# Altium PCB BRZ_BATT_MANAGER.PcbDoc (part 2 of 2)
Units mm, origin at the board's own origin, x right, y up, seen from the top; angles counter-clockwise.
Board outline 90 x 76 mm, 4 copper layers (Top Layer 1, Top Layer, Bottom Layer, Bottom Layer 1), stack 0.603 mm thick; 296 components, 218 nets, 937 pads, 36 vias.
Unrouted connection lines stored in the file: 468.
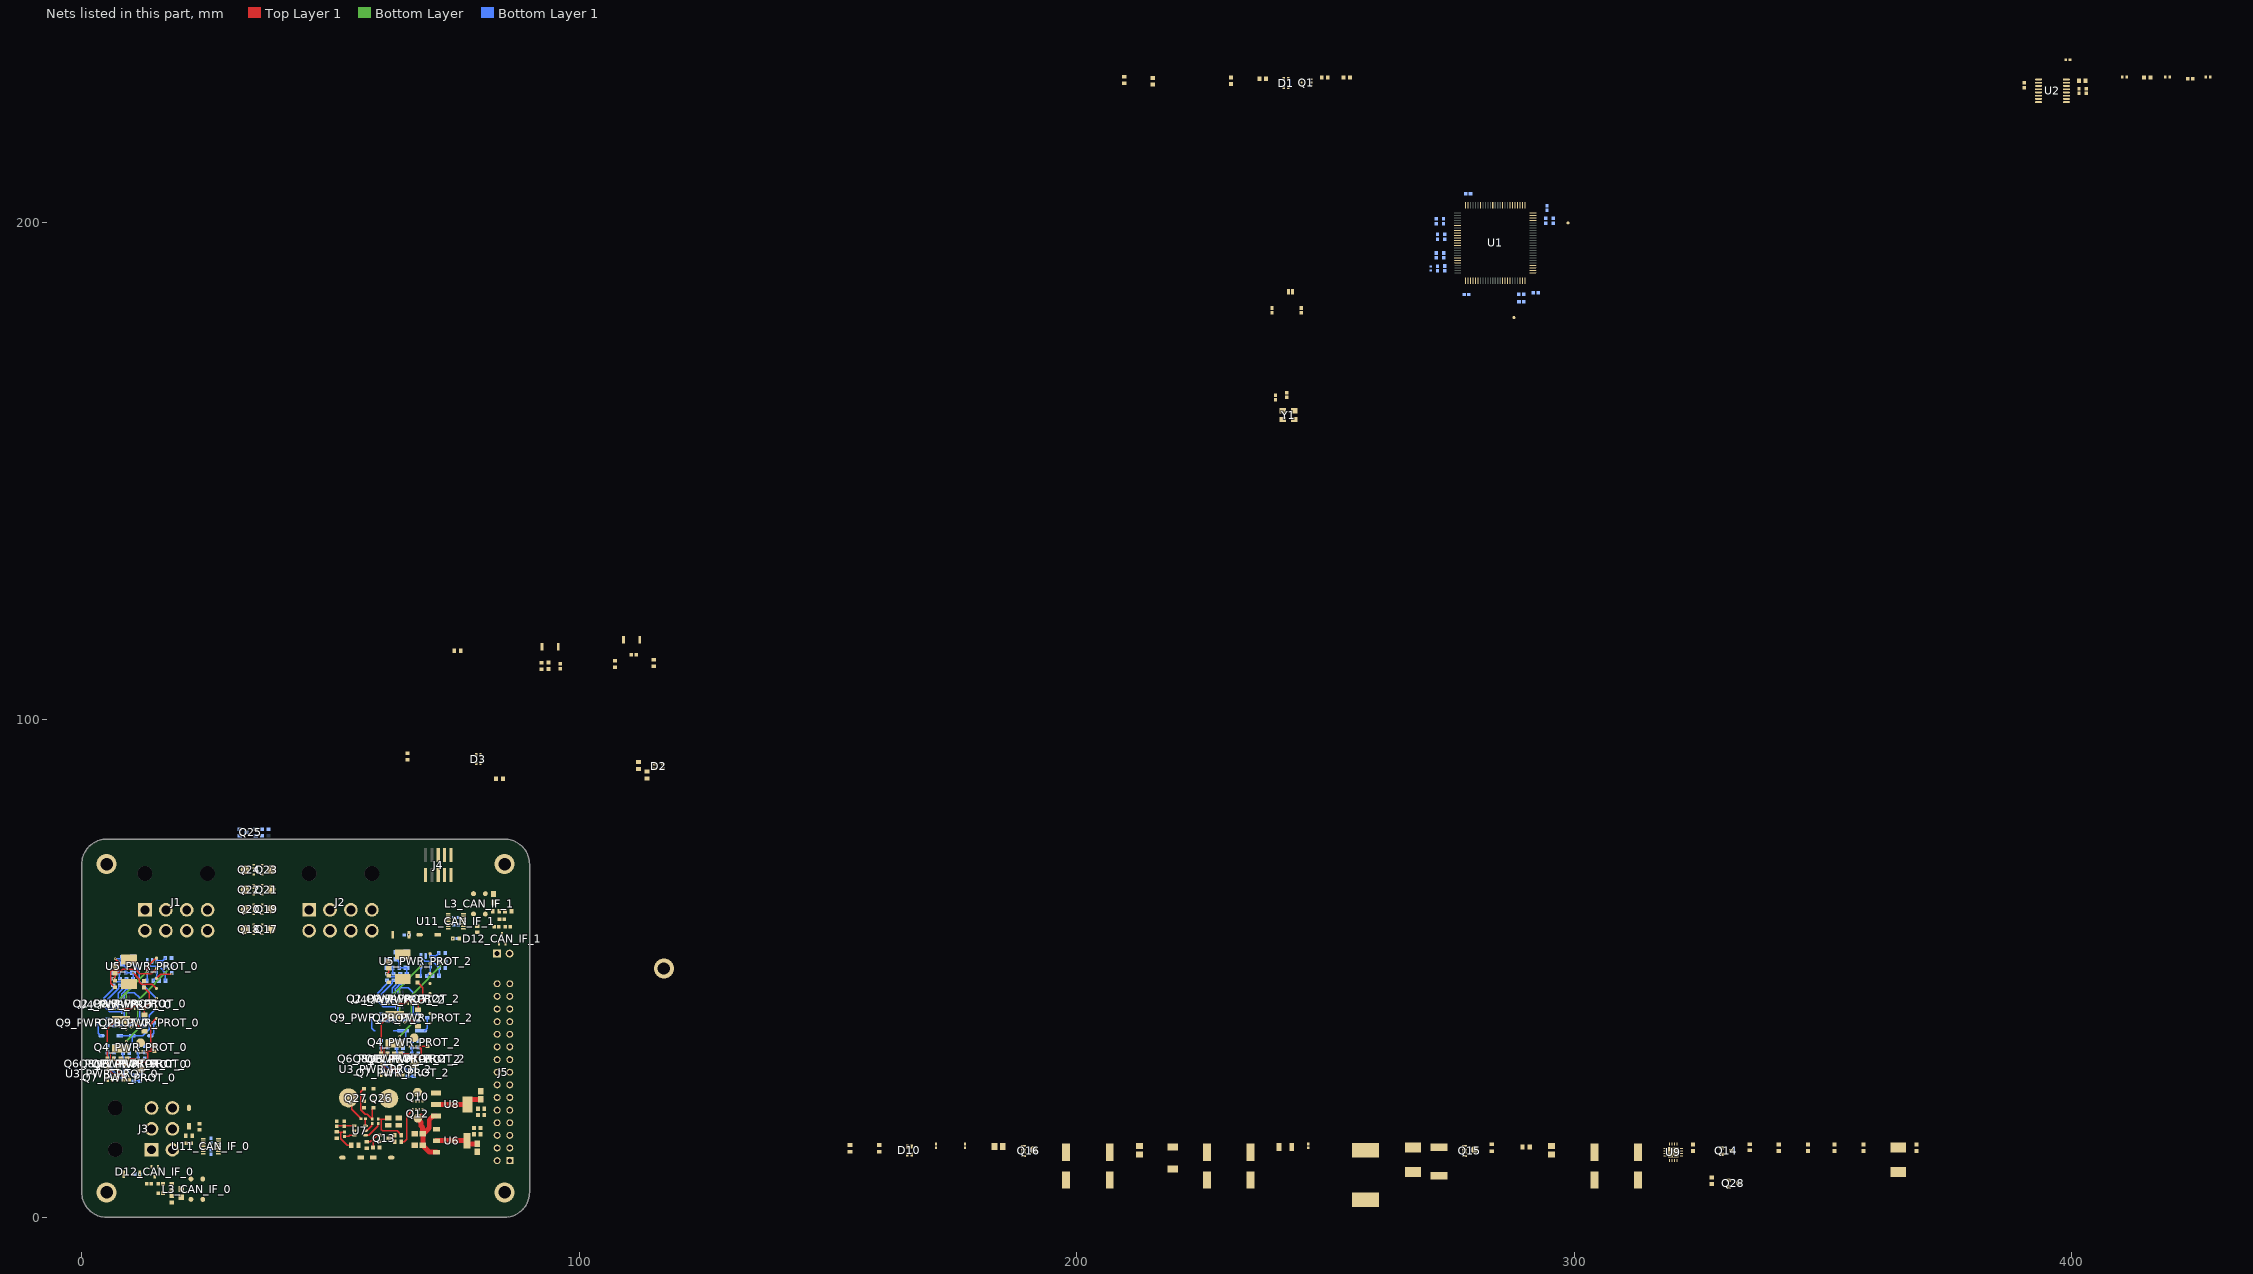
[diagram p3: the nets of this part, all layers, seen from the top]

## Part data (continued)
C44 C45: library part CMP-1036-04552-2, "CAP CER 0.22UF 50V X7R 0805", Capacitance="0.22 μF", Manufacturer=KEMET, Manufacturer Part Number=C0805C224K5RACTU, Package=C0805C-DN, Temperature="-55°C to +125°C", Temperature Characteristic=X7R, Temperature Coefficient=30ppm/°C, Temperature Range High=+125°C, Temperature Range Low=-55°C, Tolerance=0.1, Voltage Rating="50 V", Automotive=No, Category=Cap, ComponentLink2Description=Datasheet, ComponentLink2URL=https://content.kemet.com/datasheets/KEM_C1003_C0G_SMD.pdf, Device Class L1="Passive Components", Device Class L2=Capacitors, Device Class L3="Ceramic Capacitors", Digikey Description="CAP CER 0.22UF 50V X7R 0805", Height=0.88mm, Ipc Land Pattern Name=CAPC200125X78, Lead Free=Yes, Material=Ceramic, Mouser Description="CAP CER 0.22UF 50V X7R 0805", Octopart=https://octopart.com/c0805c224k5ractu-kemet-144670, RoHS=TRUE
D1 D2 D3 D10: library part CMP-004-00034-2, "Led, Red/Grn, 180Mcd/230Mcd, 624Nm/525Nm Rohs Compliant: Yes"
D4_PWR_PROT_0 D4_PWR_PROT_2: library part CMP-1060-00565-1, "Zener Voltage Regulator, 500 mW, 2-Pin SOD-123, Pb-Free, Tape and Reel", Manufacturer="On Semiconductor", ComponentLink1Description="Manufacturer URL", ComponentLink1URL=http://www.onsemi.com/, ComponentLink2Description=Datasheet, ComponentLink2URL=http://www.onsemi.com/pub_link/Collateral/MMSZ5221BT1-D.PDF, ComponentLink3Description="Package Specification", ComponentLink3URL=http://www.onsemi.com/pub_link/Collateral/425-04.PDF, DatasheetVersion="Rev. 12", Mounting Technology="Surface Mount", P Max (W)=0.5, PackageDescription="2-Pin SOD, Body 1.6 x 2.69 mm", PackageReference=SOD-123-2-425-04, PackageVersion="Rev. G, 10/2009", Packing="Tape and Reel", PartNumber=MMSZ5242BT1G, RoHS=Pb-Free, VZ Typ (V)=12
D5_PWR_PROT_0 D5_PWR_PROT_2: library part CMP-1060-00600-1, "Zener Voltage Regulator, 500 mW, 2-Pin SOD-123, Pb-Free, Tape and Reel", Manufacturer="On Semiconductor", ComponentLink1Description="Manufacturer URL", ComponentLink1URL=http://www.onsemi.com/, ComponentLink2Description=Datasheet, ComponentLink2URL=http://www.onsemi.com/pub_link/Collateral/MMSZ4678T1-D.PDF, ComponentLink3Description="Package Specification", ComponentLink3URL=http://www.onsemi.com/pub_link/Collateral/425-04.PDF, DatasheetVersion="Rev. 9", Mounting Technology="Surface Mount", P Max (W)=0.5, PackageDescription="2-Pin SOD, Body 1.6 x 2.69 mm", PackageReference=SOD-123-2-425-04, PackageVersion="Rev. G, 10/2009", Packing="Tape and Reel", PartNumber=MMSZ4683T1G, RoHS=Pb-Free, VZ Typ (V)=3
D6_PWR_PROT_0 D6_PWR_PROT_2 D7 D8 D11_PWR_PROT_0 D11_PWR_PROT_2 D13_CAN_IF_0 D13_CAN_IF_1: library part CMP-2000-04993-2, "DIODE GEN PURP 100V 150MA SOD123", Average Rectified Current=150mA, Capacitance=4pF, Forward Voltage=1V, Max Forward Surge Current (Ifsm)=1A, Max Operating Temperature=150°C, Max Repetitive Reverse Voltage (Vrrm)=100V, Max Reverse Leakage Current=5uA, Max Surge Current=2A, Min Operating Temperature=-65°C, Package Quantity=3000, Power Dissipation=400mW, Current Rating=150mA, Element Configuration=Single, Forward Current=150mA, Height=1.2mm, Lead Free="Lead Free", Length=2.85mm, Max Reverse Voltage (DC)=100V, Mount="Surface Mount", Number of Pins=2, Output Current=150mA, Packaging="Tape and Reel", Peak Non-Repetitive Surge Current=2A, Polarity=Standard, Radiation Hardening=No, Recovery Time=4ns, Reverse Recovery Time=4ns, Voltage Rating (DC)=100V, Width=1.8mm
D9: library part CMP-14398-000051-1, "DIODE SCHOTTKY 30V 5A SOD128", RoHS Compliant=Yes
D12_CAN_IF_0 D12_CAN_IF_1: library part CMP-12225-000055-1, "TVS DIODE 26.5V 44V SOT323-3", Breakdown Voltage=28.5V, Capacitance=3pF, Clamping Voltage=44V, Manufacturer=STMicroelectronics, Max Junction Temp=+175°C, Package=SOT323-3L, Peak Pulse Current=3A, Peak Pulse Power=170W, Reverse Standoff Voltage=26.5V, Temperature="-55°C to +175°C", Temperature Range Low=-55°C, Automotive=Yes, Automotive Grade="Grade 0", Category=Diode, ComponentLink2Description=Datasheet, ComponentLink2URL=https://www.st.com/resource/en/datasheet/esdcan02-2bwy.pdf, Device Class L1="Circuit Protection", Device Class L2="TVS Diodes", Device Class L3=unset, Digikey Description="TVS DIODE 26.5V 44V SOT323-3", Direction=Bidirectional, Height=1.1mm, Ipc Land Pattern Name=SOT65P210X95-3, Lead Free=Yes, Manufacturer Part Number=ESDCAN02-2BWY, Mouser Description="TVS Diodes / ESD Suppressors Automotive dual-line Transil, Transient voltage suppressor (TVS) for CAN bus", Number of Channels=2, Octopart=https://octopart.com/esdcan02-2bwy-stmicroelectronics-58631133, RoHS=TRUE, Standoff Height=0mm, Temperature Range High=+175°C
F1_PWR_PROT_0 F1_PWR_PROT_2 F2 F3: library part CMP-16042-000002-1, "DIFF P#!!! /  / FUSE BRD MNT 10A 125VAC/VDC", Fuse Current=15A, Fuse Interrupt Ac Current=50A, Fuse Interrupt Dc Current=300A, Fuse Voltage Drop=0.13V, Manufacturer="Bel Fuse", Manufacturer Part Number=0679L9150-01, Max Fuse Ac Voltage=125V, Package=0679L, Resistance=0.0038Ω, Temperature="-55°C to +125°C", Temperature Range High=+125°C, Temperature Range Low=-55°C, Automotive=Yes, Automotive Grade="Grade 1", Category=Fuse, ComponentLink2Description=Datasheet, ComponentLink2URL=https://www.belfuse.com/resources/CircuitProtection/datasheets/0679L%20Sep2016.pdf, Device Class L1="Circuit Protection", Device Class L2=Fuses, Device Class L3=unset, Digikey Description="FUSE BRD MNT 15A 125VAC/VDC", Fuse Blow Speed=Fast, Fuse I2T=103.5A2Sec, Height=2.79mm, Ipc Land Pattern Name=CAPC610254X254, Lead Free=Yes, Max Fuse Dc Voltage=125V, Octopart=https://octopart.com/0679l9150-01-bel+fuse-70850665, RoHS=TRUE, Voltage Rating=125V
FB1: library part CMP-0686-00252-4, "Chip Ferrite Bead, 0402, 600Ω @ 100MHz, 0.23Ω, 25%, 900mA", Case Code (Imperial)=0402, Case Code (Metric)=1005, Current Rating=900mA, DC Resistance (DCR)=230mR, Max Operating Temperature=125°C, Min Operating Temperature=-55°C, Package Quantity=10000, Test Frequency=100MHz, Tolerance=25%, Case/Package=0402, Height=0.5mm, Impedance=600R, Lead Free="Lead Free", Length=1mm, Material=Steel, Max Current Rating=900mA, Max DC Current=900mA, Number of Circuits=1, Number of Lines=1, Number of Pins=2, Packaging="Tape and Reel", Termination=SMD/SMT, Width=0.5mm
J1 J2: library part CMP-04776-000690-1, "CONN HEADER R/A 8POS 4.2MM"
J3: library part CMP-04776-000024-1, "CONN HEADER R/A 6POS 4.2MM", Current Rating=8A, Manufacturer=Molex, Package=0, Temperature="-40°C to +105°C", Temperature Range High=+105°C, Temperature Range Low=-40°C, Voltage Rating=600V, Automotive=No, Category=Conn, ComponentLink2Description=Datasheet, ComponentLink2URL=https://www.molex.com/webdocs/datasheets/pdf/en-us/0455580003_PCB_HEADERS.pdf, Conn Gender=Male, Conn Orientation="Right Angle", Contact Material=Tin,Nickel, Device Class L1=Connectors, Device Class L2="Headers and Wire Housings", Device Class L3=unset, Digikey Description="CONN HEADER R/A 6POS 4.2MM", Footprint Url=https://www.molex.com/pdm_docs/sd/455580003_sd.pdf, Height=10.38mm, Lead Free=Yes, Manufacturer Part Number=455580003, Mouser Description="Conn Power HDR 6 POS 4.2mm Solder ST Thru-Hole 6 Terminal 1 Port Mini-Fit Jr™ Tray", Number of Contacts=6, Number of Rows=2, Octopart=https://octopart.com/45558-0003-molex-7672845, Pitch=4.2mm, RoHS=TRUE, Standoff Height=0.4mm
J4: library part CMP-002-00075-1, "CONN HEADER SMD 10POS 1.27MM (specifically compatible with J-Link EDU cable) PN: 3220-10-0300-00"
J5: library part CMP-03369-000056-1, "CONN RCPT 30POS 0.1 GOLD PCB", Current Rating=2A, Manufacturer=TE, Package=0, Temperature="-65°C to +105°C", Temperature Range High=+105°C, Temperature Range Low=-65°C, Automotive=No, Category=Conn, ComponentLink2Description=Datasheet, ComponentLink2URL=https://www.te.com/commerce/DocumentDelivery/DDEController?Action=showdoc&DocId=Specification+Or+Standard%7F114-25018%7FE%7Fpdf%7FEnglish%7FENG_SS_114-25018_E.pdf%7F6-534206-5, Conn Gender=Female, Conn Orientation=Vertical, Contact Material=Gold,Nickel, Device Class L1=Connectors, Device Class L2="Headers and Wire Housings", Device Class L3=unset, Digikey Description="CONN RCPT 30POS 0.1 GOLD PCB", Footprint Url=https://www.te.com/commerce/DocumentDelivery/DDEController?Action=showdoc&DocId=Customer+Drawing%7F534206%7FR7%7Fpdf%7FEnglish%7FENG_CD_534206_R7.pdf%7F6-534206-5, Height=8.9mm, Is Female=yes, Lead Free=Yes, Manufacturer Part Number=6-534206-5, Mouser Description="Headers & Wire Housings REC 2X15P VRT T/H", Number of Contacts=30, Number of Rows=2, Octopart=https://octopart.com/6-534206-5-te+connectivity-39516817, Pitch=2.54mm, RoHS=TRUE, Standoff Height=0.38mm
J6: library part CMP-02766-001428-1, "CONN HEADER VERT 2POS 2.54MM", Color=Black, Current Rating=7.6A, Max Operating Temperature=125°C, Max Voltage Rating (AC)=550V, Min Operating Temperature=-55°C, Package Quantity=1, Connector Type="Male Pin", Contact Material=Bronze, Contact Mating Length=0.23inch, Contact Plating=Gold, Contact Type="Male Pin", Depth=2.54mm, Gender=Male, Housing Color=Black, Housing Material=Polyester, Lead Free="Lead Free", Length=5.08mm, Max Current Rating=7.6A, Mount="Through Hole", Number of Contacts=2, Number of Positions=2, Number of Rows=1, Orientation=Straight, Packaging=Bulk, Pitch=2.54mm, Radiation Hardening=No, REACH SVHC="No SVHC", RoHS Compliant=Yes, Series=TSW, Termination=Solder, Voltage Rating=550V, Width=2.54mm
L1: library part CMP-03913-22866870-1, "744770015 Fixed Ind 1.5UH 10A 6 Mohm SMD", Ambient Temperature Range High=85°C, Ambient Temperature Range Low=-40°C, Case/Package=1280, Current Rating=16.5A, DC Resistance (DCR)=3.2mΩ, Inductance=1.5µH, Inductance Tolerance=20%, Max DC Current=10A, Max Operating Temperature=125°C, Resistance=6mΩ, Saturation Current=12A, Self Resonant Frequency=42MHz, Test Frequency=100kHz, Core Material=Ferrite, Height=8mm, Lead Free="Lead Free", Length=12mm, Min Operating Temperature=-40°C, Mount="Surface Mount", NexarPartId=22866870, Packaging="Cut Tape (CT)", REACH SVHC=Unknown, RMS Current (Irms)=10A, RoHS=Compliant, Series Resistance=6mΩ, Shielding=Shielded, Termination=SMD/SMT, Tolerance=20%, Width=12mm
L3_CAN_IF_0 L3_CAN_IF_1: library part CMP-07251-000006-1, "CMC 51UH 200MA 2LN 2KOHM SMD", Case/Package=4532, Current=200mA, DC Resistance (DCR)=3.5R, Inductance=51uH, Insulation Resistance=10MR, Max Operating Temperature=125°C, Min Operating Temperature=-40°C, Package Quantity=1, Resistance=2kR, Self Resonant Frequency=100kHz, Tolerance=50%, Voltage Rating (DC)=50V, Contact Plating=Tin, Core Material=Ferrite, Current Rating=200mA, DC Current=200mA, Depth=3.4mm, Element Configuration=Dual, Height=0.118inch, Impedance=2kR, Lead Free="Lead Free", Length=4.5mm, Material=Steel, Max DC Current=200mA, Mount="Surface Mount", Number of Lines=2, Packaging="Tape and Reel", REACH SVHC="No SVHC", RoHS Compliant=Yes, Series=SRF4532, Termination=SMD/SMT, Test Frequency=100kHz, Width=0.126inch
Q1: library part CMP-1259-00116-1, "Dual P-Channel Trench MOSFET, -50 V, -0.16 A, -55 to 150 degC, 6-Pin SOT363, Tape and Reel", Manufacturer="NXP Semiconductors", Automotive Qualified=Y, Channel Type=P, Code_JEITA=SC-88, ComponentLink1Description="Manufacturer URL", ComponentLink1URL=http://www.nxp.com/, ComponentLink2Description=Datasheet, ComponentLink2URL=http://www.nxp.com/documents/data_sheet/BSS84AKS.pdf, ComponentLink3Description="Package Specification", ComponentLink3URL=http://www.nxp.com/documents/outline_drawing/sot363_po.pdf, DatasheetVersion="Rev. 1", ID [max] (A)=-0.16, IDM [max] (A)=-0.64, Mounting Technology="Surface Mount", PackageDescription="6-Pin Small Outline Transistor Package, Body 2 x 1.25 mm, Pitch 0.65 mm", PackageReference=SOT363, PackageVersion="06-03-16, 03/2006", Packing="Tape & Reel", PartNumber=BSS84AKS,115, VDS [max] (V)=-50, VGSth [typ] (V)=-1.6
Q2_PWR_PROT_0 Q2_PWR_PROT_2 Q3_PWR_PROT_0 Q3_PWR_PROT_2: library part CMP-013-00036-2, "Trans MOSFET P-CH 20V 22.1A 8-Pin PowerPAK 1212 EP T/R"
Q4_PWR_PROT_0 Q4_PWR_PROT_2 Q5_PWR_PROT_0 Q5_PWR_PROT_2 Q10 Q12 Q17 Q18 Q19 Q20 Q21 Q22 Q23 Q24: library part CMP-013-00036-1, "Trans MOSFET P-CH 20V 22.1A 8-Pin PowerPAK 1212 EP T/R"
Q6_PWR_PROT_0 Q6_PWR_PROT_2 Q8_PWR_PROT_0 Q8_PWR_PROT_2 Q11_PWR_PROT_0 Q11_PWR_PROT_2 Q13 Q14 Q25 Q28: library part CMP-2000-05968-1, "N-Channel Enhancement Mode Mosfet, 50 V, 200 mA, -55 to 150 degC, 6-Pin SOT-323, RoHS, Tape and Reel", Id - Continuous Drain Current=200mA, Manufacturer=DiodesIncorporated, Maximum Operating Temperature=+150C, Minimum Operating Temperature=-55C, Package / Case=SOT-323-3, Package Description="3-Pin Small Outline Transistor, Body 2 x 1.25 mm, Pitch 0.65 mm", Package Reference=SOT323, Pd - Power Dissipation=200mW, Rds On - Drain-Source Resistance=1.4Ohms, Vds - Drain-Source Breakdown Voltage=75V, Vgs - Gate-Source Voltage=20V, Brand=DiodesIncorporated, Channel Mode=Enhancement, Configuration=Single, Datasheet URL=http://www.diodes.com/_files/datasheets/ds30206.pdf, Datasheet Version="Rev. 11-2, 09/2013", Factory Pack Quantity=3000, Forward Transconductance - Min=0.1S, Height=1mm, Length=2.2mm, Manufacturer URL=http://www.diodes.com/, Mounting Style=SMD/SMT, Mounting Technology=SurfaceMount, Number of Channels=1Channel, Packaging=Reel, Product=MOSFETSmallSignal, Product Category=MOSFET, RoHS=True, Series=BSS138, Technology=Si, Transistor Polarity=N-Channel, Transistor Type=1N-Channel, Type=EnhancementModeFieldEffectTransistor, Typical Turn-Off Delay Time=20ns, Typical Turn-On Delay Time=20ns, Unit Weight=0.000212oz, Width=1.35mm
Q7_PWR_PROT_0 Q7_PWR_PROT_2 Q9_PWR_PROT_0 Q9_PWR_PROT_2 Q29_PWR_PROT_0 Q29_PWR_PROT_2: library part CMP-2000-06170-1, "P-Channel Enhancement Mode MOSFET, 310 mW, 20 V, -55 to 150 degC, 3-Pin SOT-323, RoHS, Tape and Reel", Drain-Source On Resistance-Max=750mO, Drain-to-Source Voltage [Vdss]=20V, Manufacturer="Diodes Inc", Package Description="3-Pin Small Outline Transistor, Body 2 x 1.25 mm, Pitch 0.65 mm", Package Reference=SOT323, Rated Power Dissipation=310mW, Channel Type=P-Channel, Datasheet URL=http://www.diodes.com/_files/datasheets/ds31861.pdf, Datasheet Version="Rev. 3-2, 09/2013", Manufacturer URL=http://www.diodes.com/, Mounting Technology=SurfaceMount, Qg Gate Charge=0.622nC
Q15 Q16: library part CMP-02550-000138-1, "MOSFET N-CH 30V 12A 1212-8 PPAK", Continuous Drain Current=8.7A, Drain To Source Breakdown Voltage=30V, Drain To Source Resistance=0.02Ω, Gate To Source Voltage=20V, Input Capacitace At Vds="435pF @ 15V", Manufacturer=Vishay, Max Forward Diode Voltage=1.2V, Max Junction Temp=+150°C, Package=S16-2667-SINGLE, Power Dissipation=3.2W, Pulse Drain Current=30A, Temperature="-55°C to +150°C", Temperature Range Low=-55°C, Typ Forward Diode Voltage=0.8V, Automotive=No, Category=Trans, ComponentLink2Description=Datasheet, ComponentLink2URL=http://www.vishay.com/docs/69006/sis412dn.pdf, Depletion Mode=False, Device Class L1="Discrete Semiconductors", Device Class L2=Transistors, Device Class L3=MOSFETs, Digikey Description="MOSFET N-CH 30V 12A 1212-8 PPAK", Drain To Source Voltage=30V, Gate Charge At Vgs="8nC @ 10V", Height=1.17mm, Lead Free=Yes, Manufacturer Part Number=SIS412DN-T1-GE3, Mouser Description="MOSFET 30V 12A 15.6W", Number of Channels=1, Number Of N Channels=1, Octopart=https://octopart.com/sis412dn-t1-ge3-vishay-42759401, Reverse Recovery Charge=7nC, Reverse Recovery Time=15ns, RoHS=TRUE, Rthja Max=32°C/W, Standoff Height=0mm, Temperature Range High=+150°C, Threshold Vgs Max=2.5V, Threshold Vgs Min=1V, Transconductance=17S, Turn Off Delay Time=15ns, Turn On Delay Time=5ns
Q26 Q27: library part CMP-04962-000063-1, "MOSFET N-CH 30V 25A 8VSON", Continuous Drain Current (ID)=25A, Drain to Source Voltage (Vdss)=30V, Gate to Source Voltage (Vgs)=20V, Input Capacitance=1.03nF, Max Operating Temperature=150°C, Max Power Dissipation=3.1W, Min Operating Temperature=-55°C, Contact Plating=Tin, Element Configuration=Single, Fall Time=1ns, Lead Free="Contains Lead", Mount="Surface Mount", Number of Pins=8, Packaging="Tape and Reel", Rds On Max=9.7mR, Rise Time=7ns, RoHS Compliant=Yes, Turn-Off Delay Time=13ns, Turn-On Delay Time=3ns
R1 R2 R4 R6: library part CMP-009-00206-2, "READ THE NAME"
R3 R5 R8 R10 R19 R20 R24_PWR_PROT_0 R24_PWR_PROT_2 R25_PWR_PROT_0 R25_PWR_PROT_2 R26_PWR_PROT_0 R26_PWR_PROT_2 R32_PWR_PROT_0 R32_PWR_PROT_2 R33_PWR_PROT_0 R33_PWR_PROT_2 R35_PWR_PROT_0 R35_PWR_PROT_2 R38_PWR_PROT_0 R38_PWR_PROT_2 R39_PWR_PROT_0 R39_PWR_PROT_2 R40_PWR_PROT_0 R40_PWR_PROT_2 R41_PWR_PROT_0 R41_PWR_PROT_2 R44_PWR_PROT_0 R44_PWR_PROT_2 R45_PWR_PROT_0 R45_PWR_PROT_2 R46_PWR_PROT_0 R46_PWR_PROT_2 R47_PWR_PROT_0 R47_PWR_PROT_2 R48_PWR_PROT_0 R48_PWR_PROT_2 R50 R51 R53 R54 R55 R57 R58 R59 R60 R61 R62 R64 R71_PWR_PROT_0 R71_PWR_PROT_2 R79 R108_CAN_IF_0 R108_CAN_IF_1 R113 R115: library part CMP-1012-00623-3, "Chip Resistor, 10 KOhm, +/- 1%, 0.1 W, -55 to 155 degC, 0603 (1608 Metric), RoHS, Tape and Reel", Case Code (Imperial)=0603, Case Code (Metric)=1608, Manufacturer=Panasonic, Max Operating Temperature=155degC, Max Power Dissipation=100mW, Min Operating Temperature=-55degC, Package Description="2-Pin Surface Mount Device, Body 1.6 x 0.85 mm", Package Quantity=1, Package Reference=603, Resistance=10KOhm, Temperature Coefficient=100ppm\/degreesC, Tolerance=1%, Voltage Rating=75V, Case\/Package=0603, Composition=ThickFilm, Contact Plating=Tin, Datasheet URL=https://industrial.panasonic.com/cdbs/www-data/pdf/RDA0000/AOA0000C304.pdf, Datasheet Version=02/2017, Depth=0.8mm, Height=0.45mm, Lead Free=LeadFree, Length=1.6mm, Manufacturer URL=http://www.panasonic.com/, Military Standard=Not, Mount=SurfaceMount, Mounting Technology=SurfaceMount, Number of Pins=2, Number of Terminations=2, Packaging=TapeandReel, Power Rating=100mW, Radiation Hardening=No, REACH SVHC=NoSVHC, RoHSCompliant=true, Termination=SMD/SMT, Voltage Rating (DC)=75V, Width=0.031inch
R7 R11 R12 R14 R15 R21 R69 R70: library part CMP-2000-00572-1, Manufacturer=Panasonic, Part Number=ERJ3EKF56R0V
R9 R13 R22_PWR_PROT_0 R22_PWR_PROT_2 R29_PWR_PROT_0 R29_PWR_PROT_2 R31_PWR_PROT_0 R31_PWR_PROT_2 R36_PWR_PROT_0 R36_PWR_PROT_2 R37_PWR_PROT_0 R37_PWR_PROT_2 R42_PWR_PROT_0 R42_PWR_PROT_2 R52_PWR_PROT_0 R52_PWR_PROT_2 R56 R63 R73 R78 R80_PWR_PROT_0 R80_PWR_PROT_2 R110_CAN_IF_0 R110_CAN_IF_1 R114: library part CMP-2000-00180-1, Manufacturer=Panasonic, Part Number=ERJ-3EKF1001V
R16 R17 R18: library part CMP-2000-00435-2, "Chip Resistor, 330 Ohm, +/- 1%, 0.1 W, -55 to 155 degC, 0603 (1608 Metric), RoHS, Tape and Reel", Current Rating="500 mA", Max Operating Temperature="85 degC", Min Operating Temperature="-25 degC", Package Quantity=1500, Voltage Rating="10 V", ComponentLink1Description="Manufacturer URL", ComponentLink1URL=http://www.panasonic.com/, ComponentLink2Description=Datasheet, ComponentLink2URL=http://industrial.panasonic.com/cdbs/www-data/pdf/RDA0000/AOA0000C86.pdf, Contact Finish=Gold, Contact Material=Copper, Contact Plating=Gold, DatasheetVersion=Apr-15, Gender=Male, Height="1.45 mm", Lead Pitch="1.1 mm", Length="13.7 mm", Mating Cycles=10000, Mount="Surface Mount", PackageDescription="2-Pin Surface Mount Device, Body 1.6 x 0.85 mm", PackageReference=0603, Packaging="Tape and Reel", Pins=8, REACH SVHC="No SVHC", RoHSCompliant=true, Width="1.45 mm"
R23_PWR_PROT_0 R23_PWR_PROT_2: library part CMP-02407-010954-1, "RES 0.01 OHM 1% 3W 2512", Case Code (Imperial)=2512, Case Code (Metric)=6432, Max Operating Temperature=170°C, Min Operating Temperature=-65°C, Package Quantity=2000, Power Rating=3W, Resistance=10mR, Resistance Tolerance=1%, Resistor Type="Metal Strip", Temperature Coefficient=75ppm/°C, Case/Package=2512, Height=0.635mm, Lead Free="Lead Free", Length=6.4mm, Packaging="Tape and Reel", RoHS Compliant=Yes, Series=WSLP, Termination=SMD/SMT, Tolerance=1%, Weight=0.001429oz, Width=3.2mm
R27_PWR_PROT_0 R27_PWR_PROT_2: library part CMP-2000-00925-1, "NOT PANASONIC, THIS IS A 1M RESISTORhttps://www.yageo.com/upload/media/product/productsearch/datasheet/rchip/PYu-RT_1-to-0.01_RoHS_L_13.pdf", Manufacturer=Panasonic, Part Number=ERA-3AEB163V
R28_PWR_PROT_0 R28_PWR_PROT_2 R30_PWR_PROT_0 R30_PWR_PROT_2 R34_PWR_PROT_0 R34_PWR_PROT_2: library part CMP-2000-00317-1, Manufacturer=Panasonic, Part Number=ERJ-3EKF2001V
R43_PWR_PROT_0 R43_PWR_PROT_2 R49_PWR_PROT_0 R49_PWR_PROT_2: library part CMP-1012-00849-3, "RES SMD 1M OHM 1% 1/10W 0603", Case Code (Imperial)=0603, Case Code (Metric)=1608, Max Operating Temperature=155°C, Max Power Dissipation=100mW, Min Operating Temperature=-55°C, Package Quantity=1, Resistance=1MR, Resistance Tolerance=1%, Resistor Type="Thick Film", Temperature Coefficient=100ppm/°C, Voltage Rating=75V, Case/Package=0603, Construction=Rectangular, Contact Plating=Tin, Depth=0.8mm, Features="Automotive AEC-Q200", Height=0.022inch, Lead Free="Lead Free", Length=1.6mm, Military Standard=Not, Mount="Surface Mount", Number of Pins=2, Number of Terminations=2, Packaging="Tape and Reel", Power Rating=100mW, Radiation Hardening=No, REACH SVHC="No SVHC", RoHS Compliant=Yes, Series=ERJ, Size Code=0603, Termination=SMD/SMT, Tolerance=1%, Voltage Rating (DC)=75V, Width=0.8mm
R65 R76: library part CMP-2000-00182-1, Manufacturer=Panasonic, Part Number=ERJ-3EKF1003V
R66: library part CMP-1012-00660-3, "RES SMD 22.1K OHM 1% 1/10W 0603", Case Code (Imperial)=0603, Case Code (Metric)=1608, Max Operating Temperature=155°C, Max Power Dissipation=100mW, Min Operating Temperature=-55°C, Package Quantity=1, Resistance=22.1kR, Resistance Tolerance=1%, Resistor Type="Thick Film", Temperature Coefficient=100ppm/°C, Voltage Rating=75V, Voltage Rating (DC)=50V, Case/Package=0603, Construction=Rectangular, Contact Plating=Tin, Depth=0.8mm, Features="Automotive AEC-Q200", Height=0.45mm, Lead Free="Lead Free", Length=1.6mm, Military Standard=Not, Mount="Surface Mount", Number of Terminations=2, Packaging="Tape and Reel", Power Rating=100mW, Radiation Hardening=No, REACH SVHC="No SVHC", RoHS Compliant=Yes, Series=ERJ, Size Code=0603, Technology="THICK FILM", Termination=SMD/SMT, Tolerance=1%, Width=0.031inch
R67: library part CMP-26527-002316-1, "10Ω ±5% 1W 2512 Thick Film Chip Resistor AEC-Q200 compliant", Case Code (Imperial)=2512, Case Code (Metric)=6432, Max Operating Temperature=155°C, Max Power Dissipation=1W, Min Operating Temperature=-55°C, Resistance=10R, Resistor Type="Thick Film", Temperature Coefficient=200ppm/°C, Tolerance=5%, Case/Package=2512, Construction=Rectangular, Contact Plating=Tin, Depth=3.2mm, Features="Automotive AEC-Q200", Height=0.028inch, Lead Free="Lead Free", Length=0.248inch, Military Standard=Not, Mount="Surface Mount", Number of Terminations=2, Packaging="Tape and Reel", Power Rating=1W, Radiation Hardening=No, RoHS Compliant=Yes, Series=RMCF, Size Code=2512, Width=0.126inch
R68: library part CMP-26527-001047-1, "General Purpose Thick Film Chip Resistor, 1206, 10mΩ, 1%, 0.5W", Case Code (Imperial)=1206, Case Code (Metric)=3216, Max Operating Temperature=155°C, Max Power Dissipation=500mW, Min Operating Temperature=-55°C, Resistance=10mR, Resistor Type="Thick Film", Temperature Coefficient=100ppm/°C, Tolerance=1%, Case/Package=1206, Construction=Rectangular, Contact Plating=Tin, Depth=1.55mm, Height=0.026inch, Length=0.12inch, Military Standard=Not, Mount="Surface Mount", Number of Terminations=2, Packaging="Tape and Reel", Radiation Hardening=No, RoHS Compliant=Yes, Series=CSR, Width=0.061inch
R72 R74 R75 R77: library part CMP-1011-00001-2, Manufacturer="Yageo / Phycomp", Part Number=RC0402JR-070RL
R107_CAN_IF_0 R107_CAN_IF_1 R111_CAN_IF_0 R111_CAN_IF_1: library part CMP-1012-00372-3, "RES SMD 60.4 OHM 1% 1/10W 0603", Case Code (Imperial)=0603, Case Code (Metric)=1608, Max Operating Temperature=155°C, Max Power Dissipation=100mW, Min Operating Temperature=-55°C, Package Quantity=1, Resistance=60.4R, Resistance Tolerance=1%, Resistor Type="Thick Film", Temperature Coefficient=100ppm/°C, Voltage Rating=75V, Voltage Rating (DC)=50V, Case/Package=0603, Construction=Rectangular, Contact Plating=Tin, Depth=0.8mm, Features="Automotive AEC-Q200", Height=0.022inch, Lead Free="Lead Free", Length=1.6mm, Military Standard=Not, Mount="Surface Mount", Number of Terminations=2, Packaging="Tape and Reel", Power Rating=100mW, REACH SVHC="No SVHC", RoHS Compliant=Yes, Series=ERJ, Termination=SMD/SMT, Tolerance=1%, Width=0.031inch
R109_CAN_IF_0 R109_CAN_IF_1: library part CMP-2000-00213-2, "Chip Resistor, 120 Ohm, +/- 1%, 0.1 W, -55 to 155 degC, 0603 (1608 Metric), RoHS, Tape and Reel", Case Code (Imperial)=0603, Case Code (Metric)=1608, Manufacturer=Panasonic, Max Operating Temperature=155degC, Max Power Dissipation=100mW, Min Operating Temperature=-55degC, Package Description="2-Pin Surface Mount Device, Body 1.6 x 0.85 mm", Package Quantity=1, Resistance=120Ohm, Temperature Coefficient=100ppm/degreesC, Tolerance=1%, Voltage Rating=75V, Case/Package=0603, Composition=ThickFilm, Contact Plating=Tin, Datasheet URL=https://industrial.panasonic.com/cdbs/www-data/pdf/RDA0000/AOA0000C283.pdf, Datasheet Version=42095.0, Depth=0.8mm, Height=0.022inch, Lead Free=LeadFree, Length=1.6mm, Manufacturer URL=http://www.panasonic.com/, Military Standard=Not, Mount=SurfaceMount, Number of Pins=2, Number of Terminations=2, Package Reference=0603, Package URL=http://www.st.com/st-web-ui/static/active/en/resource/technical/document/datasheet/CD00001320.pdf, Packaging=TapeandReel, Power Rating=100mW, Radiation Hardening=No, REACH SVHC=NoSVHC, RoHSCompliant=true, Termination=SMD/SMT, Voltage Rating (DC)=75V, Width=0.031inch
SW1 SW2 SW3_CAN_IF_0 SW3_CAN_IF_1: library part CMP-10040-000029-1, "SWITCH TACTILE SPST-NO 0.02A 15V", Current Rating=5A, Flammability Rating="UL94 V-0", Insulation Color=Black, Max Operating Temperature=85°C, Min Operating Temperature=-40°C, Operating Force=240gf, Actuator Type=Standard, Connector Type=USB, Contact Plating=Gold, Gender=Receptacle, Illumination Type=Non-Illuminated, Mechanical Life=500000Cycles, Mount="Surface Mount", Number of Contacts=24, Number of Ports=1, Packaging="Tape and Reel", Switch Function=Off-Mom, Switch Travel=0.13mm, Termination=Solder, Throw Configuration=SPST
TP1 TP2 TP3_PWR_PROT_0 TP3_PWR_PROT_2 TP4_PWR_PROT_0 TP4_PWR_PROT_2 TP5_PWR_PROT_0 TP5_PWR_PROT_2 TP6_PWR_PROT_0 TP6_PWR_PROT_2 TP7_PWR_PROT_0 TP7_PWR_PROT_2 TP8_PWR_PROT_0 TP8_PWR_PROT_2 TP9_PWR_PROT_0 TP9_PWR_PROT_2 TP10_PWR_PROT_0 TP10_PWR_PROT_2: library part CMP-00028-00002-2, "0.6mm round", Pins=1
U1: library part CMP-12105-000107-1, "IC MCU 32BIT 128KB FLASH 100LQFP"
U2: library part CMP-0054-00372-2, "8-Channel, 50 kSPS to 200 kSPS, 8-Bit A/D Converter, 16-pin TSSOP, Pb-Free", Manufacturer="National Semiconductor", PackageTopMarking=NSUZXYTT*88S022*CIMT, PowerWise=Y, Code_JEDEC=MO-153-AB, ComponentLink1Description="ADC088S022 Datasheet", ComponentLink1URL=http://www.national.com/ds/AD/ADC088S022.pdf, ComponentLink2Description="ADC088S022 Web Page", ComponentLink2URL=http://www.national.com/pf/AD/ADC088S022.html, ComponentLink3Description="MTC16 Package Page", ComponentLink3URL=http://www.national.com/packaging/folders/mtc16.html, CompType="ADC IC", DatasheetVersion=Feb-2010, PackageDescription="Molded TSSOP, Jedec, 5 x 4.4 x 0.9mm Body, 16 Lead, 0.65mm Pitch", PackageReference=MTC16, PackageVersion="revD, Jun-2003", PinCount=16, RevisionNote="Component URLs added", RoHS=Y
U3_PWR_PROT_0 U3_PWR_PROT_2 U5_PWR_PROT_0 U5_PWR_PROT_2: library part CMP-04896-000098-1, "40V, RAIL-TO-RAIL INPUT, PUSH-PU"
U4_PWR_PROT_0 U4_PWR_PROT_2: library part CMP-014-00004-1, "LM2902 Series 30 V 1.3 MHz Low-Power Quad Operational Amplifier - QFN-16 (3x3)"
U6: library part CMP-0062-01638-4, "800mA Low-Dropout Linear Regulator, 4-pin SOT-223, Pb-Free", Manufacturer="Texas Instruments", PackageTopMarking=XYTT*N05A, PowerWise=N, Code_IPC=SOT223-4, Code_JEDEC=TO-261-AA, ComponentLink1Description="Datasheet URL", ComponentLink1URL=http://www.ti.com/general/docs/lit/getliterature.tsp?genericPartNumber=LM1117-N&fileType=pdf, CompType="LDO IC", High-Reliability=Y, PackageDescription="Molded SOT-223, 6.50 x 3.56 x 1.6mm Body, 4 Lead, 2.3mm Pitch", PackageReference=DCY0004A, PartNumber=LM1117MP-3.3/NOPB, PinCount=4, RoHS=Y
U7: library part CMP-019-00037-1, "SOT 26/Aï¿½/ +/- 65 V Reverse Voltage Protected Ideal Diode Controller"
U8: library part CMP-0062-01627-4, "800mA Low-Dropout Linear Regulator, 4-pin SOT-223, Pb-Free", Manufacturer="Texas Instruments", PackageTopMarking=XYTT*N06B, PowerWise=N, Code_IPC=SOT223-4, Code_JEDEC=TO-261-AA, ComponentLink1Description="Datasheet URL", ComponentLink1URL=http://www.ti.com/general/docs/lit/getliterature.tsp?genericPartNumber=LM1117-N&fileType=pdf, CompType="LDO IC", High-Reliability=Y, PackageDescription="Molded SOT-223, 6.50 x 3.56 x 1.6mm Body, 4 Lead, 2.3mm Pitch", PackageReference=DCY0004A, PartNumber=LM1117IMP-5.0/NOPB, PinCount=4, RoHS=Y
U9: library part CMP-0321-00212-2, "Standalone Synchronous Switch-Mode Charge Controller, 5 V, -40 to 85 degC, 16-pin VQFN (RVA), Green (RoHS & no Sb/Br)", Manufacturer="Texas Instruments", Over Voltage Protection=N, ComponentLink1Description=Datasheet, ComponentLink1URL=http://www.ti.com/general/docs/lit/getliterature.tsp?genericPartNumber=BQ24600&fileType=pdf, DatasheetVersion=SLUS891A, Eco-Plan="Green (RoHS & no Sb/Br)", Lead Acid=N, Li-Ion=N, Li-Polymer=N, Mounting Technology="Surface Mount", NiCd=N, NiMH=N, PackageDescription="16-Pin Plastic Quad Flatpack No-Lead, 3.5 x 3.5 mm Body, 0.5 mm Pitch, Exposed Pad", PackageReference=RVA0016A, PackageVersion="revC, May-2011", PartNumber=BQ24600RVAR, SubFamily="Battery Charge Management", Vin(Min)(V)=5
U11_CAN_IF_0 U11_CAN_IF_1: library part CMP-015-00012-2, "Automotive CAN FD transceiver with watchdog, bus diagnostics and partial networking via sele 14-SOT-23-THIN -40 to 150"
Y1: library part CMP-27762-011708-1, "Crystal 48MHz ±20ppm 18pF SMD-4 3.2mm x 2.5mm", Case/Package=CSMD, ESR (Equivalent Series Resistance)=35R, Frequency=48MHz, Frequency Stability=50ppm, Frequency Tolerance=20ppm, Load Capacitance=18pF, Max Operating Temperature=70°C, Min Operating Temperature=-20°C, Operating Frequency="48 MHz", Package Quantity=1000, Resistor Type=Ceramic, Depth=2.5mm, Height=0.031inch, Lead Free="Lead Free", Length=3.2mm, Mount="Surface Mount", Number of Pins=4, Packaging="Tape and Reel", Radiation Hardening=No, REACH SVHC="No SVHC", RoHS Compliant=Yes, Series=ABM8, Series Resistance=35R, Termination=SMD/SMT, Tolerance=20ppm, Width=0.098inch
Y2: library part CMP-40224-000006-1, "CRYSTAL 32.7680KHZ 12.5PF SMD", Frequency=32.768kHz, Load Capacitance=12.5pF, Manufacturer="ECS International", Package=ECX-1210, Temperature="-40°C to +85°C", Temperature Range High=+85°C, Temperature Range Low=-40°C, Tolerance=20ppm, Automotive=No, Category=Crys, ComponentLink2Description=Datasheet, ComponentLink2URL=https://ecsxtal.com/store/pdf/ECX-1210.pdf, Device Class L1="Passive Components", Device Class L2="Crystals / Oscillators", Device Class L3=Crystals, Digikey Description="CRYSTAL 32.7680KHZ 12.5PF SMD", Esr=90kΩ, Height=0.5mm, Lead Free=Yes, Manufacturer Part Number=ECS-.327-12.5-1210-TR, Octopart=https://octopart.com/ecs-.327-12.5-1210-tr-ecs+international-81221340, RoHS=TRUE, Series=ECX-1210

## Via types
v1: diameter 0.5, hole 0.3, Top Layer 1 to Bottom Layer 1, 27 vias
v2: diameter 4, hole 2.5, Top Layer 1 to Bottom Layer 1, tented both sides, 5 vias
v3: diameter 0.5, hole 0.2, Top Layer 1 to Bottom Layer 1, 4 vias

## Nets (pads, with @x,y where several pads share a name; then routed paths per layer and width w, separated by ;. In a path a pad name is that pad's centre, name@x,y a point inside that pad or via, vN(x,y) a via of type N, cw(c..) or ccw(c..) an arc to the next point about the centre after c; other vN are vias at no path point)
2V_UV_REF_PWR_PROT_0: R29_PWR_PROT_0.1 R30_PWR_PROT_0.2 R41_PWR_PROT_0.1 TP6_PWR_PROT_0.1 | length 17.1
  Bottom Layer 1 w0.254: R30_PWR_PROT_0.2@6.35,49.175 7.4,49.175 R29_PWR_PROT_0.1@7.475,49.25 ; R29_PWR_PROT_0.1@7.446,49.279 R29_PWR_PROT_0.1@7.55,49.175 ; R41_PWR_PROT_0.1@7.675,47.95 7.55,48.075 R29_PWR_PROT_0.1@7.55,49.175 ; v1(15,44) 11.548,47.452 11.548,49.702 9.746,51.504 7.454,51.504 7.225,51.275 7.225,49.575 7.55,49.25 R29_PWR_PROT_0.1@7.55,49.175
2V_UV_REF_PWR_PROT_2: R29_PWR_PROT_2.1 R30_PWR_PROT_2.2 R41_PWR_PROT_2.1 TP6_PWR_PROT_2.1 | length 2.5
  Bottom Layer 1 w0.254: R30_PWR_PROT_2.2@61.35,50.175 R29_PWR_PROT_2.1@62.55,50.175 62.55,49.075 R41_PWR_PROT_2.1@62.675,48.95
3V3: C2.1 C5.1 C6.1 C7.1 C8.1 C9.1 C10.1 C17.1 C18.1 C23.2 C29.1 C56_CAN_IF_0.1 C56_CAN_IF_1.1 D2.2 D2.3 D3.2 D3.3 FB1.1 J4.1 Q1.1 Q1.4 R5.1 R7.1 R8.2 R10.2 R20.1 R50.2 R58.2 R59.2 R69.2 R70.2 SW1.2 U1.6 U1.11 U1.27 U1.50 U1.75 U1.100 U2.2 U6.2 U6.4 U11_CAN_IF_0.5 U11_CAN_IF_1.5 | length 8.6
  Top Layer 1 w1: U6.2@71.3,15.4 U6.4@77.45,15.4 77.45,15.001 77.675,14.776 C29.1@79.45,14.776
3V_OV_REF_PWR_PROT_0: D5_PWR_PROT_0.1 R28_PWR_PROT_0.1 R29_PWR_PROT_0.2 R45_PWR_PROT_0.1 TP5_PWR_PROT_0.1 | length 11
  Top Layer 1 w0.254: v1(10.3,49.14) 11.55,47.89 11.55,47.3 12.046,46.804 14.196,46.804 TP5_PWR_PROT_0.1@15,46
  Bottom Layer 1 w0.254: R28_PWR_PROT_0.1@8.2,50.825 8.275,50.825 8.598,50.502 8.598,50.427 8.8,50.225 R29_PWR_PROT_0.2@8.8,49.175 10.265,49.175 10.325,49.115 R45_PWR_PROT_0.1@10.325,47.95
3V_OV_REF_PWR_PROT_2: D5_PWR_PROT_2.1 R28_PWR_PROT_2.1 R29_PWR_PROT_2.2 R45_PWR_PROT_2.1 TP5_PWR_PROT_2.1 | length 4.7
  Bottom Layer 1 w0.254: R28_PWR_PROT_2.1@63.2,51.825 63.275,51.825 63.598,51.502 63.598,51.427 63.8,51.225 R29_PWR_PROT_2.2@63.8,50.175 65.265,50.175 D5_PWR_PROT_2.1@65.3,50.14 65.325,50.115 R45_PWR_PROT_2.1@65.325,48.95
5V: C31.1 C55_CAN_IF_0.1 C55_CAN_IF_1.1 R53.2 U8.2 U8.4 U11_CAN_IF_0.3 U11_CAN_IF_1.3 | length 9.8
  Top Layer 1 w1: U8.2@71.181,22.691 U8.4@77.531,22.691 77.531,23.174 78.056,23.699 C31.1@80.25,23.699
12V_SENSE: U2.4
BATT_CHG_ENABLE: R63.2
BATT_CHG_STAT: D10.4 R59.1 U9.3
BATT_I_SENSE: R80_PWR_PROT_2.1 TP10_PWR_PROT_2.1
BATT_nOV_ENABLE: R42_PWR_PROT_2.1
  other v1: 64.969,39.238
BATT_nPG: D10.1 R58.1 U9.5
BATT_nUV_ENABLE: R36_PWR_PROT_2.1
  other v1: 62.844,39.263
BATT_OC_RST: R31_PWR_PROT_2.2
BATT_OC_TRIP: R52_PWR_PROT_2.2
BATT_PWR: D13_CAN_IF_1.2 F1_PWR_PROT_2.1 F3.2 J2.1 J2.2 J2.5 J2.6 Q17.5-6-7-8 Q19.5-6-7-8 Q21.5-6-7-8 Q23.5-6-7-8 R113.2
BATT_TEMP_SENSE: R61.1 R62.2
BATT_V_SENSE: R32_PWR_PROT_2.2 R34_PWR_PROT_2.2 R40_PWR_PROT_2.1 R47_PWR_PROT_2.1 TP9_PWR_PROT_2.1 | length 4.9
  Top Layer 1 w0.254: R32_PWR_PROT_2.2@61.7,48.55 61.65,48.55 61.402,48.798 61.402,48.831 61.35,48.883 v1(61.35,48.95) 61.7,49.3 R34_PWR_PROT_2.2@61.7,50.025
  Bottom Layer 1 w0.254: v1(61.35,48.95) 61.4,48.95 62.004,48.346 63.346,48.346 63.95,48.95 R47_PWR_PROT_2.1@64,48.95
BOOT: C23.1 R2.2 R16.1 R19.2
BTST: C35.1 D9.1 U9.16
BUZZ_NEG: R21.1
CAN1_MISO: U11_CAN_IF_0.6
CAN1_MOSI: U11_CAN_IF_0.11
CAN1_nCS: U11_CAN_IF_0.14
CAN1_RX: R9.1 U1.81 U11_CAN_IF_0.4
CAN1_SCLK: U11_CAN_IF_0.8
CAN1_TX: R13.1 U1.82 U11_CAN_IF_0.1
CAN_CAN_IF_0_N: C54_CAN_IF_0.2 D12_CAN_IF_0.2 J3.1 L3_CAN_IF_0.4 R107_CAN_IF_0.1 R109_CAN_IF_0.1
CAN_CAN_IF_0_P: C60_CAN_IF_0.1 D12_CAN_IF_0.1 J3.4 L3_CAN_IF_0.1 R109_CAN_IF_0.2 R111_CAN_IF_0.2
CAN_CAN_IF_1_N: C54_CAN_IF_1.2 D12_CAN_IF_1.2 J6.2 L3_CAN_IF_1.4 R107_CAN_IF_1.1 R109_CAN_IF_1.1
CAN_CAN_IF_1_P: C60_CAN_IF_1.1 D12_CAN_IF_1.1 J6.1 L3_CAN_IF_1.1 R109_CAN_IF_1.2 R111_CAN_IF_1.2
CAN_INH_CAN_IF_0: D7.2 U11_CAN_IF_0.7
CAN_INH_CAN_IF_1: D8.2 U11_CAN_IF_1.7
CAN_MISO_CAN_IF_1: U11_CAN_IF_1.6
CAN_MOSI_CAN_IF_1: U11_CAN_IF_1.11
CAN_nCS: R4.2
CAN_nCS_CAN_IF_1: U11_CAN_IF_1.14
CAN_PWR: D13_CAN_IF_0.2 J3.5 J3.6
CAN_RX_CAN_IF_1: U11_CAN_IF_1.4
CAN_SCLK_CAN_IF_1: U11_CAN_IF_1.8
CAN_TX_CAN_IF_1: U11_CAN_IF_1.1
CAR_GATE: Q26.4 Q27.4 R75.2 | length 10
  Top Layer 1 w0.254: Q27.4@56.72,25.837 56.683,25.837 56.1,25.255 56.1,21.612 56.965,20.747 57.403,20.747 R75.2@58.4,19.75 ; R75.2@58.4,19.725 R75.2@58.4,19.75 ; Q26.4@58.62,22.027 58.61,22.027 58.4,21.817 R75.2@58.4,19.75
CAR_I_SENSE: R80_PWR_PROT_0.1 TP10_PWR_PROT_0.1 | length 3.4
  Top Layer 1 w0.254: TP10_PWR_PROT_0.1@15,48 15.9,48.9 v1(18.05,48.9)
CAR_nOV_ENABLE: R42_PWR_PROT_0.1
  other v1: 9.969,38.238
CAR_nUV_ENABLE: R36_PWR_PROT_0.1
  other v1: 7.844,38.263
CAR_OC_RST: R31_PWR_PROT_0.2
CAR_OC_TRIP: R52_PWR_PROT_0.2
CAR_PWR: F1_PWR_PROT_0.1 J1.1 J1.2 J1.5 J1.6 Q18.5-6-7-8 Q20.5-6-7-8 Q22.5-6-7-8 Q24.5-6-7-8
CAR_PWR_IN: C46.2 C47.2 F2.1 J5.1 J5.2 J5.3 J5.4 J5.5 J5.6 J5.7 J5.8 J5.9 J5.10 Q5_PWR_PROT_0.5-6-7-8 Q27.5-6-7-8 R72.2 | length 5.3
  Top Layer 1 w0.254: Q27.5-6-7-8@53.618,24.003 54.264,23.356 54.264,21.711 56.002,19.973 56.002,19.948 56.15,19.8 R72.2@56.175,19.8
CAR_V_SENSE: R32_PWR_PROT_0.2 R34_PWR_PROT_0.2 R40_PWR_PROT_0.1 R47_PWR_PROT_0.1 TP9_PWR_PROT_0.1 | length 14.4
  Top Layer 1 w0.254: R32_PWR_PROT_0.2@6.7,47.55 6.65,47.55 6.402,47.798 6.402,47.831 6.35,47.883 v1(6.35,47.95) 6.7,48.3 6.7,48.922 R34_PWR_PROT_0.2@6.7,49.025 6.807,49.132 7.457,49.132 8.2,49.875 10.725,49.875 11.678,48.922 13.922,48.922 TP9_PWR_PROT_0.1@15,50
  Bottom Layer 1 w0.254: v1(6.35,47.95) 6.4,47.95 7.004,47.346 8.346,47.346 8.95,47.95 R47_PWR_PROT_0.1@9,47.95
CE: Q14.3 R60.1 U9.2
CUTOFF_MOSFET_PWR_PROT_0: Q4_PWR_PROT_0.4 Q5_PWR_PROT_0.4 Q6_PWR_PROT_0.3 Q7_PWR_PROT_0.3 R22_PWR_PROT_0.1 R26_PWR_PROT_0.2 R27_PWR_PROT_0.1 TP7_PWR_PROT_0.1 U3_PWR_PROT_0.1 | length 28.5
  Top Layer 1 w0.254: v1(9.75,30.9) 9.703,30.853 9.403,30.853 8.95,30.4 R26_PWR_PROT_0.2@8.9,30.4 8.9,31.6 R27_PWR_PROT_0.1@9.15,31.85 10.727,31.85 10.875,31.703 Q5_PWR_PROT_0.4@10.875,31.628 10.923,31.58 10.923,31.33 11.104,31.149 13.095,31.149 13.229,31.283 13.229,32.924 Q4_PWR_PROT_0.4@12.948,33.205 ; Q4_PWR_PROT_0.4@12.825,33.328 12.849,33.351 14.399,33.351 14.399,33.401 13.846,33.954 13.846,38.846 TP7_PWR_PROT_0.1@15,40